# Altium PCB TinyShuffle v.0b.PcbDoc (part 1 of 2) (continued)
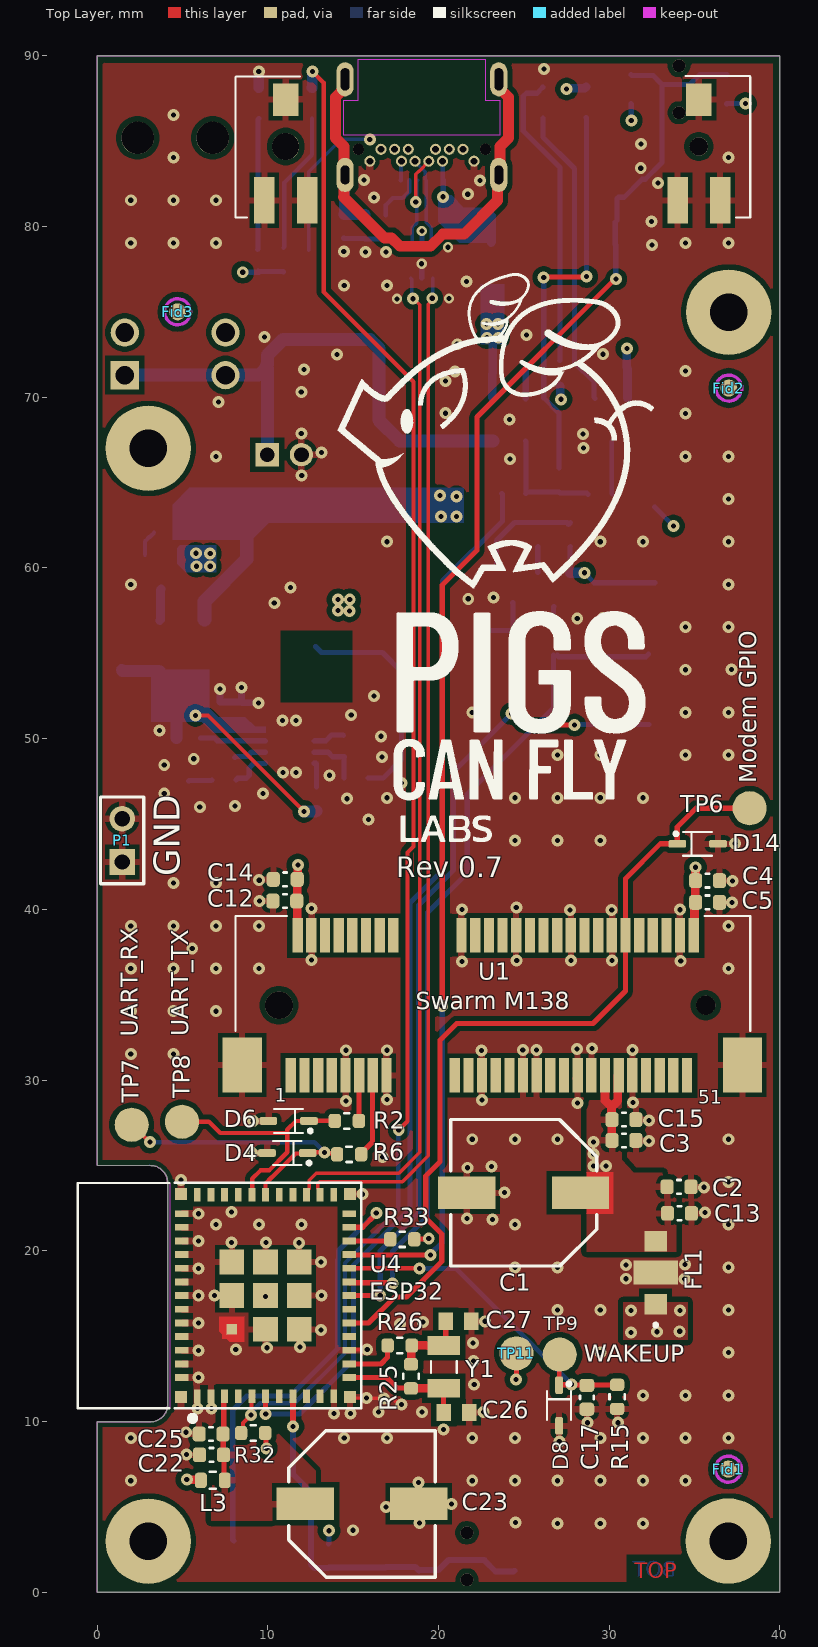
[diagram p0: Top Layer view]
## Footprints (in the part's own frame and the unit in brackets; to place one, negate y for a bottom-side part, rotate by r counter-clockwise, add the part's x,y. Pads: shape width x height; smd on the part's side, far side on the other; paste and mask are expansions set on the pad) (continued)
SOT323-6L [mm] "SOT23, 6-Leads, Body 2,00x2,10mm, Pitch 0,65mm, IPC High Density"
  rect 1.05x0.4 smd paste-0.03 mask+0.05: 1(-0.925,0.65) 2(-0.925,0) 3(-0.925,-0.65) 4(0.925,-0.65) 5(0.925,0) 6(0.925,0.65)
  silkscreen extent -1.12,1.31 -0.93,1.49, body extent -0.67,-1.1 0.67,1.1, height 1.1
ST_1610 [mm]
  rect 0.55x0.8 smd paste-0.05 mask+0.05: 1(-0.625,0) 2(0.625,0)
  silkscreen extent -1.23,-0.54 -1.23,0.53, body extent -0.85,-0.55 0.85,0.55, height 0.66
SW_PB400EEQX [mm]
  rect 1.65x1.65 hole 1.1: 1(0,0)
  round 1.65 hole 1.1: 2(0,-2.5) 3(5.9,0) 4(5.9,-2.5)
  round 1.9 hole 1.9 unplated: ""(0.75,-13.9) ""(5.15,-13.9)
  silkscreen extent -0.75,-17.69 6.65,1.6, body extent -0.76,-26.76 6.64,0.85, height 10.07
XCVR_ESP32-C3-MINI-1-N4 [mm]
  rect 0.8x0.4 smd: 1(-5.9,1.3) 2(-5.9,0.5) 3(-5.9,-0.3) 4(-5.9,-1.1) 5(-5.9,-1.9) 6(-5.9,-2.7) 7(-5.9,-3.5) 8(-5.9,-4.3) 9(-5.9,-5.1) 10(-5.9,-5.9) 11(-5.9,-6.7) 25(5.9,-6.7) 26(5.9,-5.9) 27(5.9,-5.1) 28(5.9,-4.3) 29(5.9,-3.5) 30(5.9,-2.7) 31(5.9,-1.9) 32(5.9,-1.1) 33(5.9,-0.3) 34(5.9,0.5) 35(5.9,1.3)
  rect 0.4x0.8 smd: 12(-4.8,-7.6) 13(-4,-7.6) 14(-3.2,-7.6) 15(-2.4,-7.6) 16(-1.6,-7.6) 17(-0.8,-7.6) 18(0,-7.6) 19(0.8,-7.6) 20(1.6,-7.6) 21(2.4,-7.6) 22(3.2,-7.6) 23(4,-7.6) 24(4.8,-7.6) 36(4.8,2.2) 37(4,2.2) 38(3.2,2.2) 39(2.4,2.2) 40(1.6,2.2) 41(0.8,2.2) 42(0,2.2) 43(-0.8,2.2) 44(-1.6,2.2) 45(-2.4,2.2) 46(-3.2,2.2) 47(-4,2.2) 48(-4.8,2.2)
  rect 0.6x0.6 smd paste-1 mask+0: 49_1(-1.975,-0.725)
  rect 1.45x1.45 smd: 49_2(0,-0.725) 49_3(1.975,-0.725) 49_4(1.975,-2.7) 49_5(1.975,-4.675) 49_6(0,-4.675) 49_7(-1.975,-4.675) 49_8(-1.975,-2.7) 49_9(0,-2.7)
  rect 0.7x0.7 smd: 50(5.95,2.25) 51(5.95,-7.65) 52(-5.95,-7.65) 53(-5.95,2.25)
  Top Layer region: -1.25,-1.45 -2.7,-1.45 -2.7,-0.6 -2.1,0 -1.25,0
  Keep-Out Layer region: 6.6,2.9 -6.6,2.9 -6.6,8.3 6.6,8.3
  Keep-Out Layer region: 6.6,2.9 -6.6,2.9 -6.6,8.3 6.6,8.3
  silkscreen extent -7.34,-8.3 6.6,8.3, body extent -6.6,-8.3 6.6,8.3, height 2.55
XCVR_M138_MODEM [mm]
  rect 0.6x2 smd: 1(0.7,-4.1) 2(1.1,4.1) 3(1.5,-4.1) 4(1.9,4.1) 5(2.3,-4.1) 6(2.7,4.1) 7(3.1,-4.1) 8(3.5,4.1) 9(3.9,-4.1) 10(4.3,4.1) 11(4.7,-4.1) 12(5.1,4.1) 13(5.5,-4.1) 14(5.9,4.1) 15(6.3,-4.1) 16(6.7,4.1) 17(10.3,-4.1) 18(10.7,4.1) 19(11.1,-4.1) 20(11.5,4.1) 21(11.9,-4.1) 22(12.3,4.1) 23(12.7,-4.1) 24(13.1,4.1) 25(13.5,-4.1) 26(13.9,4.1) 27(14.3,-4.1) 28(14.7,4.1) 29(15.1,-4.1) 30(15.5,4.1) 31(15.9,-4.1) 32(16.3,4.1) 33(16.7,-4.1) 34(17.1,4.1) 35(17.5,-4.1) 36(17.9,4.1) 37(18.3,-4.1) 38(18.7,4.1) 39(19.1,-4.1) 40(19.5,4.1) 41(19.9,-4.1) 42(20.3,4.1) 43(20.7,-4.1) 44(21.1,4.1) 45(21.5,-4.1) 46(21.9,4.1) 47(22.3,-4.1) 48(22.7,4.1) 49(23.1,-4.1) 50(23.5,4.1) 51(23.9,-4.1) 52(24.3,4.1)
  rect 2.3x3.2 smd: 53(-2.15,-3.5) 54(27.15,-3.5)
  rect 1.5x1.9 smd: S1_1(0.4,53.05) S2_1(24.6,53.05)
  rect 1.2x2.7 smd: S1_2(-0.85,47.15) S1_3(1.65,47.15) S2_2(23.35,47.15) S2_3(25.85,47.15)
  round 1.63 hole 1.63 unplated: ""(0,0)
  round 1.58 hole 1.58 unplated: ""(0.4,50.3)
  round 1.08 hole 1.08 unplated: ""(24.6,50.3)
  round 1.13 hole 1.13 unplated: ""(25,0)
  silkscreen extent -2.54,-1.5 27.61,54.42, body extent -2.4,-4.87 27.64,54.32, height 6.9
XTAL_ABS07-32.768KHZ-T [mm]
  rect 1.1x1.9 smd paste-0.03: 1(-1.25,0) 2(1.25,0)
  silkscreen extent -0.35,-0.75 0.35,0.75, body extent -1.6,-0.75 1.6,0.75, height 0.89

## Part data
C1 C23: "CAP ALUM POLY 220UF 20% 6.3V SMD", Capacitance=220uF, Manufacturer="Nippon Chemi-Con", ManufacturerPartNumber=APXA6R3ARA221MH70G, Tolerance=20%, Voltage Rating=6.3V
C2 C4 C9 C13 C14: library part CMP-00444-2, "CAP CER 10UF 25V X5R 0603", Capacitance=10µF, Dielectric=X5R, Manufacturer="Murata Electronics", Op Temp max=85°C, Op Temp min=-55°C, Package="0603 (1608 Metric)", Ratings=-, Tolerance=20%, Voltage Rating=25V, ComponentLink1Description=Datasheet, ComponentLink1URL=https://www.murata.com/en-global/products/productdetail?partno=GRM188R61E106MA73%23, ComponentLink2Description=Mouser, ComponentLink2URL=https://eu.mouser.com/ProductDetail/Murata-Electronics/GRM188R61E106MA73J?qs=hNud%2FORuBR2%252B%252BY67hhW1nA%3D%3D, ComponentLink3Description=Digikey, ComponentLink3URL=https://www.digikey.com/en/products/detail/murata-electronics/GRM188R61E106MA73J/4905347?s=N4IgTCBcDaIOICUCyBGAHGhA2FBRFADFkgIIDsAzAFIgC6AvkA, Height max=1mm, Lead Spacing=0mm, Mounting Type=SM, MPN=GRM188R61E106MA73J, Size="1.60mm x 0.80mm"
C3 C5 C12 C15 C17 C25 C28: library part CMP-00119-2, "CAP CER 0.1UF 50V X7R 0603", Capacitance=100nF, Dielectric=X7R, Manufacturer="Samsung Electro-Mechanics", Op Temp max=125°C, Op Temp min=-55°C, Package="0603 (1608 Metric)", Ratings=-, Tolerance=10%, Voltage Rating=50V, ComponentLink1Description=Datasheet, ComponentLink1URL=http://product.samsungsem.com/mlcc/CL10B104KB8NNW.do, ComponentLink2Description=Mouser, ComponentLink2URL=https://eu.mouser.com/ProductDetail/Samsung-Electro-Mechanics/CL10B104KB8NNWC?qs=%2Fha2pyFaduh3vwrZSGoh3Z6Gj3oVa1Y%2Fpd7iGPjF01jpt%2F6TY3kdMw%3D%3D, ComponentLink3Description=Digikey, ComponentLink3URL=https://www.digikey.com/en/products/detail/samsung-electro-mechanics/CL10B104KB8NNWC/3887593, Height max=900µm, Lead Spacing=0mm, Mounting Type=SM, MPN=CL10B104KB8NNWC, Size="1.60mm x 0.80mm"
C6: library part CMP-001-0280-2, "CAP CER 4.7UF 25V X5R 0603", Capacitance=4.7µF, Dielectric=X5R, Manufacturer="Murata Electronics", Op Temp max=85°C, Op Temp min=-55°C, Package="0603 (1608 Metric)", Ratings=-, Tolerance=10%, Voltage Rating=25V, ComponentLink1Description=Datasheet, ComponentLink1URL=https://www.murata.com/-/media/webrenewal/support/library/catalog/products/capacitor/ceramiccapacitor/c02e.ashx?la=en-us&cvid=20210120024548000000, ComponentLink2Description=Mouser, ComponentLink2URL=https://eu.mouser.com/ProductDetail/Murata-Electronics/GRM188R61E475KE11D?qs=eeBpzGFlv%252B9M0HqzMo%2FgYw%3D%3D, ComponentLink3Description=Digikey, ComponentLink3URL=https://www.digikey.com/en/products/detail/murata-electronics/GRM188R61E475KE11D/3900465, Height max=800µm, Lead Spacing=0mm, Mounting Type=SM, MPN=GRM188R61E475KE11D, Size="1.60mm x 0.80mm"
C7: "CAP CER 22UF 16V X5R 0805", Manufacturer="Samsung Electro-Mechanics", Operating Temperature="-55°C ~ 85°C", Package / Case="0805 (2012 Metric)", Temperature Coefficient=X5R, Tolerance=±20%, Voltage - Rated=16V, ComponentLink1Description=Datasheet, ComponentLink1URL=https://media.digikey.com/pdf/Data%20Sheets/Samsung%20PDFs/CL21A226MOQNNNE_Spec.pdf, ComponentLink2Description=Digikey, ComponentLink2URL=https://www.digikey.com/en/products/detail/samsung-electro-mechanics/CL21A226MOQNNNE/3888567, MPN=CL21A226MOQNNNE
C8 C20 C21 C22 C24: library part CMP-001-0243-7, "CAP CER 1UF 25V X5R 0603", Capacitance=1µF, Dielectric=X5R, Manufacturer="Samsung Electro-Mechanics", Op Temp max=125°C, Op Temp min=-55°C, Package="0603 (1608 Metric)", Ratings=-, Tolerance=10%, Voltage Rating=25V, ComponentLink1Description=Datasheet, ComponentLink1URL=https://media.digikey.com/pdf/Data%20Sheets/Samsung%20PDFs/CL10A105KA8NNNC_Spec.pdf, ComponentLink2Description=Mouser, ComponentLink2URL=https://eu.mouser.com/ProductDetail/Samsung-Electro-Mechanics/CL10A105KA8NNNC?qs=hqM3L16%252BxldY%252BnK4KzDJVg%3D%3D, ComponentLink3Description=Digikey, ComponentLink3URL=https://www.digikey.com/en/products/detail/samsung-electro-mechanics/CL10A105KA8NNNC/3886760, Height max=900µm, Lead Spacing=0mm, Mounting Type=SM, MPN=CL10A105KA8NNNC, Size="1.60mm x 0.80mm"
C10: library part CMP-00119-2, "CAP CER 10000PF 50V X7R 0603", Capacitance=10nF, Dielectric=X7R, Manufacturer="Samsung Electro-Mechanics", Op Temp max=125°C, Op Temp min=-55°C, Package="0603 (1608 Metric)", Ratings=-, Tolerance=10%, Voltage Rating=50V, ComponentLink1Description=Datasheet, ComponentLink1URL=https://media.digikey.com/pdf/Data%20Sheets/Samsung%20PDFs/CL10B103KB8NNNC_Spec.pdf, ComponentLink2Description=Mouser, ComponentLink2URL=https://www.mouser.com/ProductDetail/Samsung-Electro-Mechanics/CL10B103KB8NNNC?qs=349EhDEZ59pAsZxZjVI0UQ%3D%3D, ComponentLink3Description=Digikey, ComponentLink3URL=https://www.digikey.com/en/products/detail/samsung-electro-mechanics/CL10B103KB8NNNC/3886667, Height max=900µm, Lead Spacing=0mm, Mounting Type=SM, MPN=CL10B103KB8NNNC, Size="1.60mm x 0.80mm"
C11: library part CMP-00119-2, "CAP CER 560PF 50V C0G/NP0 0603", Capacitance=560pF, Dielectric="C0G, NP0", Manufacturer="Samsung Electro-Mechanics", Op Temp max=125°C, Op Temp min=-55°C, Package="0603 (1608 Metric)", Ratings=-, Tolerance=10%, Voltage Rating=50V, ComponentLink1Description=Datasheet, ComponentLink1URL=https://www.samsungsem.com/kr/support/product-search/mlcc/CL10C561JB8NFNC.jsp, ComponentLink2Description=Mouser, ComponentLink2URL=https://www.mouser.com/ProductDetail/Samsung-Electro-Mechanics/CL10C561JB8NFNC?qs=h6Piwd%2Fnvzm6ky5tL0eH4g%3D%3D, ComponentLink3Description=Digikey, ComponentLink3URL=https://www.digikey.com/en/products/detail/samsung-electro-mechanics/CL10C561JB8NFNC/3887973, Height max=900µm, Lead Spacing=0mm, Mounting Type=SM, MPN=CL10C561JB8NFNC, Size="1.60mm x 0.80mm"
C16: library part CMP-00119-3, "CAP CER 0.1UF 50V X7R 0603", Capacitance=100nF, Dielectric=X7R, Manufacturer="Samsung Electro-Mechanics", Op Temp max=125°C, Op Temp min=-55°C, Package="0603 (1608 Metric)", Ratings=-, Tolerance=10%, Voltage Rating=50V, ComponentLink1Description=Datasheet, ComponentLink1URL=http://product.samsungsem.com/mlcc/CL10B104KB8NNW.do, ComponentLink2Description=Mouser, ComponentLink2URL=https://eu.mouser.com/ProductDetail/Samsung-Electro-Mechanics/CL10B104KB8NNWC?qs=%2Fha2pyFaduh3vwrZSGoh3Z6Gj3oVa1Y%2Fpd7iGPjF01jpt%2F6TY3kdMw%3D%3D, ComponentLink3Description=Digikey, ComponentLink3URL=https://www.digikey.com/en/products/detail/samsung-electro-mechanics/CL10B104KB8NNWC/3887593, Height max=900µm, Lead Spacing=0mm, Mounting Type=SM, MPN=CL10B104KB8NNWC, Size="1.60mm x 0.80mm"
C18: library part CMP-001-0433-1, "CAP CER 10000PF 50V NP0 0603", Capacitance=10nF, Dielectric="NP0 (C0G)", Manufacturer="Murata Electronics", Op Temp max=125°C, Op Temp min=-55°C, Package="0603 (1608 Metric)", Ratings=AEC-Q200, Tolerance=5%, Voltage Rating=50V, ComponentLink1Description=Datasheet, ComponentLink1URL=https://www.murata.com/en-global/products/productdetail?partno=GCM1885C1H103JA16%23, ComponentLink2Description=Mouser, ComponentLink2URL=https://eu.mouser.com/ProductDetail/Murata-Electronics/GCM1885C1H103JA16D?qs=d0WKAl%252BL4KaCN8KV5xEifw%3D%3D, ComponentLink3Description=Digikey, ComponentLink3URL=https://www.digikey.com/en/products/detail/murata-electronics/GCM1885C1H103JA16D/13401923, Height max=900µm, Lead Spacing=0mm, Mounting Type=SM, MPN=GCM1885C1H103JA16D, Size="1.60mm x 0.80mm"
C19: library part 0603-X7R-100V-0.1uF, "CAP CER 0.1UF 100V X7R 0603", Manufacturer=Samsung, MPN=CL10B104KC8NNNC, Package/Case="0603 (1608 Metric)", Supplier 1 Part Number=1276-6807-2-ND, Group="Ceramic capacitor, SMD", Price=0.01625, Supplier 1=DigiKey, Supplier 1 Link=https://www.digikey.com/product-detail/en/samsung-electro-mechanics/CL10B104KC8NNNC/1276-6807-2-ND/5961291
C26 C27: library part CAPC1608N-0.1UF, "CAP CER 12PF NP0 0603", Manufacturer="Murata Electronics", MPN=GRM1885C1H120JA01J
D1 D2: library part MBR0520, "DIODE SCHOTTKY 20V 1A SOD123FL", LCSC Part Number=C81143, Manufacturer=ON, Generic Part=no, MPN=MBR120ESFT3G
D3 D11: library part 598_SERIES_LED, "Green 566nm LED Indication - Discrete 2V 0805 (2012 Metric)", Manufacturer=Dialight, Package="0805 Dialight", Availability=Unavailable, MPN=598-8170-107F, Price=None, SnapEDA_Link=https://www.snapeda.com/parts/598-8110-107F/Dialight/view-part/275124/?ref=snap
D4 D5 D6 D8 D10 D14: "TVS DIODE 3.3VWM 10.9VC SOD323", Capacitance @ Frequency="200pF @ 1MHz", Current - Peak Pulse (10/1000µs)="43A (8/20µs)", Manufacturer="Bourns Inc.", Voltage - Breakdown (Min)=4V, Voltage - Clamping (Max) @ Ipp="10.9V (Typ)", Voltage - Reverse Standoff (Typ)=3.3V, ComponentLink1Description=Datasheet, ComponentLink1URL=https://www.mccsemi.com/pdf/Products/ESDLC3V3D3~ESDLC12VD3(SOD-323).pdf, ComponentLink2Description=Digikey, ComponentLink2URL=https://www.digikey.com/en/products/detail/micro-commercial-co/ESDLC3V3D3-TP/2512797, ComponentLink3Description=Mouser, ComponentLink3URL=https://eu.mouser.com/ProductDetail/Micro-Commercial-Components-MCC/ESDLC3V3D3-TP?qs=tWhVDKcjDQFO%252BZgFf6OwKw%3D%3D, MPN=CDSOD323-T03SC
D7: library part 598_SERIES_LED, "Orange 605nm LED Indication - Discrete 2V 0805 (2012 Metric)", Manufacturer=Dialight, Package="0805 Dialight", Availability=Unavailable, MPN=598-8130-107F
D9: library part 598_SERIES_LED, "Red 635nm LED Indication - Discrete 2.2V 0805 _2012 Metric_", Manufacturer=Dialight, Package="0805 Dialight", Availability=Unavailable, MPN=598-8110-107F, Price=None, SnapEDA_Link=https://www.snapeda.com/parts/598-8110-107F/Dialight/view-part/275124/?ref=snap
D12: library part NUF2221W1T2G, "FILTER RC(PI) 22 OHM/47PF SMD", Manufacturer=STMicroelectronics, Package/Case=SOT363, Supplier 1 Part Number=497-3743-2-ND, Group=Diode, MPN=USBUF02W6, Price=0.8, Supplier 1=Digi-Key, Supplier 1 Link=https://www.digikey.com/en/products/detail/stmicroelectronics/USBUF02W6/686422
D13 D15: "TVS DIODE 5V 11.6V 1610", Manufacturer=STMicroelectronics, Package/Case=1610, Supplier 1 Part Number=497-16253-2-ND, Group=Diode, MPN=ESDA7P60-1U1M, Price=0.07875, Supplier 1=Digi-Key, Supplier 1 Link=https://www.digikey.com/en/products/detail/stmicroelectronics/ESDA7P60-1U1M/5768408?s=N4IgTCBcDaIKIGUAiBBA7ABQGwAYC0AjAKoECyIAugL5A
FL1: "1ÂµF Feed Through Capacitor 100V 6A 5mOhm 1206 (3216 Metric), 4 PC Pad", Manufacturer=TDK, Package="0402 TDK", Check_prices=https://www.snapeda.com/parts/YFF31HC2A105M/TDK/view-part/566442/?ref=eda, Digi-Key_Part_Number=445-16151-1-ND, MPN=YFF31HC2A105M, Purchase-URL=https://pricing.snapeda.com/search/part/YFF31HC2A105M/?ref=eda, SnapEDA_Link=https://www.snapeda.com/parts/YFF31HC2A105M/TDK/view-part/566442/?ref=snap
J1: "Type C, USB 3.1 Gen 2, 5 A, Right Angle, Surface Mount _SMT_, USB Receptacle", Manufacturer="CUI Devices", MPN=UJ31-CH-G2-SMT-TR
J2: library part "Battery Connector", "Connector Header, PH Series, 2 Position, 2.00mm, Through Hole, Press-Fit, Solder, Natural", Manufacturer="Sullins Connector Solutions", MPN=SWR201-NRTN-S02-SA-WH
L1: library part ILHB0805ER601V, "FERRITE BEAD 600 OHM 0805 2A", Manufacturer="Vishay Dale", Package/Case="0805 (2012 Metric)", Supplier 1 Part Number=541-2302-2-ND, Group=Inductors, MPN=ILHB0805ER601V, Price=0.03040, Supplier 1=DigiKey, Supplier 1 Link=https://www.digikey.com/en/products/detail/vishay-dale/ILHB0805ER601V/2575021
L2: "2 µH Shielded Drum Core, Wirewound Inductor 8.2 A 23.3mOhm Max Nonstandard -", Current - Saturation (Isat)=4А, Current Rating (Amps)="8.2 A", DC Resistance (DCR), Max=23.3mOhm, Frequency - Self Resonant=40MHz, Manufacturer="Bourns Inc.", Operating Temperature="-55°C ~ 155°C", Package="Nonstandard Bourns Inc.", Q @ Freq="15 @ 100kHz", Tolerance=20%, MPN=SRP4020FA-2R0M
L3: library part "ferrite bead", "FERRITE BEAD 120 OHM 0603 1LN", Manufacturer="Murata Electronics North America", Package=0603, Supplier 1 Part Number=490-7815-1-ND, Supplier 2 Part Number=81-BLM18PG121SH1D, MPN=BLM18PG121SH1D, Supplier 1 Link=https://www.digikey.com/product-detail/en/murata-electronics-north-america/BLM18PG121SH1D/490-7815-1-ND/4380154, Supplier 2 Link=https://eu.mouser.com/ProductDetail/Murata-Electronics/BLM18PG121SH1D?qs=%2fha2pyFaduiel0%2fVgJ%252brELM19JMXTESGH14ASLXzLyb4MmtpyhCVjQ%3d%3d
P1: library part "Header 2", "Header, 2-Pin", LatestRevisionDate=17-Jul-2002, LatestRevisionNote="Re-released for DXP Platform.", Publisher="Altium Limited"
Q1: library part CMP-001-0218-5, "MOSFET P-CH 20V 3.8A SOT23", Current - Continuous Drain (Id) @ 25°C="3.8A (Ta)", Drain to Source Voltage (Vdss)="20 V", Input Capacitance (Ciss) (Max) @ Vds="487pF @20V", Manufacturer="Diodes Incorporated", Op Temp max=150°C, Op Temp min=-55°C, Package=SOT-23-3, ComponentLink1Description=Datasheet, ComponentLink1URL=https://www.vishay.com/docs/73238/73238.pdf, ComponentLink2Description=Mouser, ComponentLink2URL=https://eu.mouser.com/ProductDetail/Vishay-Semiconductors/SI2325DS-T1-E3?qs=jcx%252B0HVgj2ZrYzLJS1OITQ%3D%3D, ComponentLink3Description=Digikey, ComponentLink3URL=https://www.digikey.com/en/products/detail/diodes-incorporated/DMP2120U-7/8275357, FET Type=P-Channel, Height max=1.12mm, Mounting Type=SM, MPN=DMP2120U-7, Pmax="800mW (Ta)", Rds @ Id, Vgs="62mOhm @ 4.2A, 4.5V", Size=2.9x2.3, Technology=MOSFET, Vgs="2V @ 250µA", Vgs (MAX)=±8V
Q2: library part CMP-001-0218-5, "MOSFET P-CH 20V 600MA SOT23-3", Current - Continuous Drain (Id) @ 25°C=600mA, Drain to Source Voltage (Vdss)="20 V", Input Capacitance (Ciss) (Max) @ Vds="175 pF @ 16 V", Manufacturer="Diodes Incorporated", Op Temp max=150°C, Op Temp min=-55°C, Package=SOT-23-3, ComponentLink1Description=Datasheet, ComponentLink1URL=https://www.diodes.com/assets/Datasheets/ds30933.pdf, ComponentLink2Description=Mouser, ComponentLink2URL=https://www.mouser.com/ProductDetail/Diodes-Incorporated/DMP2004K-7?qs=R%252By5Lqt1H6xpbz%252B9t5zMtA%3D%3D, ComponentLink3Description=Digikey, ComponentLink3URL=https://www.digikey.com/en/products/detail/diodes-incorporated/DMP2004K-7/1774201, FET Type=P-Channel, Height max=1.12mm, Mounting Type=SM, MPN=DMP2004K-7, Pmax=225mW, Rds @ Id, Vgs="900mOhm @ 430mA, 4.5V", Size=2.9x2.3, Technology=MOSFET, Vgs="1V @ 250µA", Vgs (MAX)=±8V
Q3: library part CMP-001-0268-1, "Power MOSFET, N Channel, 60 V, 300 mA, 2.8 ohm, SOT-23, Surface Mount", Current - Continuous Drain (Id) @ 25°C=360mA, Drain to Source Voltage (Vdss)=60V, Input Capacitance (Ciss) (Max) @ Vds="50 pF @ 10 V", Manufacturer="Nexperia USA Inc.", Op Temp max=150°C, Op Temp min=-55°C, Package=SOT-23-3, ComponentLink1Description=Datasheet, ComponentLink1URL=https://assets.nexperia.com/documents/data-sheet/2N7002P.pdf, ComponentLink2Description=Mouser, ComponentLink2URL=https://eu.mouser.com/ProductDetail/Nexperia/2N7002P235?qs=A1cBxND5mHJjAcok1kSTYw%3D%3D, ComponentLink3Description=Digikey, ComponentLink3URL=https://www.digikey.com/en/products/detail/nexperia-usa-inc/2N7002-215/762973, FET Type=N-Channel, Height max=1.1mm, Mounting Type=SM, MPN=2N7002,215, Pmax=350mW, Rds @ Id, Vgs="1.6Ohm @ 500mA, 10V", Size=2.9x2.3, Technology=MOSFET, Vgs=2.4V, Vgs (MAX)=20
R1 R11: library part CMP-001-0437-1, "RES 10 OHM 1% 1/10W 0603", Manufacturer=YAGEO, Op Temp max=155°C, Op Temp min=-55°C, Package="0603 (1608 Metric)", Power=100mW, Ratings=-, Resistance=10, Temperature Coefficient=±200ppm/°C, Tolerance=1%, ComponentLink1Description=Datasheet, ComponentLink1URL=https://www.yageo.com/upload/media/product/productsearch/datasheet/rchip/PYu-RC_Group_51_RoHS_L_11.pdf, ComponentLink2Description=Mouser, ComponentLink2URL=https://eu.mouser.com/ProductDetail/YAGEO/RC0603FR-0710RL?qs=womCuNp6NjhtCUybQ%252B6d6w%3D%3D, ComponentLink3Description=Digikey, ComponentLink3URL=https://www.digikey.com/en/products/detail/yageo/RC0603FR-0710RL/726879, Composition="Thick Film", Height max=550µm, Mounting Type=SM, MPN=RC0603FR-0710RL, Size="1.60mm x 0.80mm"
R2 R6: library part CMP-001-0437-1, "RES 22 OHM 1% 1/10W 0603", Manufacturer=YAGEO, Op Temp max=155°C, Op Temp min=-55°C, Package="0603 (1608 Metric)", Power=100mW, Ratings=-, Resistance=22, Temperature Coefficient=±150ppm, Tolerance=1%, ComponentLink1Description=Datasheet, ComponentLink1URL=https://www.yageo.com/upload/media/product/productsearch/datasheet/rchip/PYu-RC_Group_51_RoHS_L_11.pdf, ComponentLink2Description=Mouser, ComponentLink2URL=https://eu.mouser.com/ProductDetail/YAGEO/RC0603FR-0722RL?qs=diQw95jMAeMOsxb8bne7fg%3D%3D, ComponentLink3Description=Digikey, ComponentLink3URL=https://www.digikey.com/en/products/detail/yageo/RC0603FR-0722RL/727055, Composition="Thick Film", Height max=550µm, Mounting Type=SM, MPN=RC0603FR-0722RL, Size="1.60mm x 0.80mm"
R3 R14 R15 R23 R27 R32 R33: library part CMP-00465-3, "RES SMD 10K OHM 0.5% 1/10W 0603", Manufacturer=YAGEO, Op Temp max=155°C, Op Temp min=-55°C, Package="0603 (1608 Metric)", Power=100mW, Ratings=-, Resistance=10k, Temperature Coefficient=±25ppm, Tolerance=0.5%, ComponentLink1Description=Datasheet, ComponentLink1URL=https://www.yageo.com/upload/media/product/productsearch/datasheet/rchip/PYu-RT_1-to-0.01_RoHS_L_12.pdf, ComponentLink2Description=Mouser, ComponentLink2URL=https://www.mouser.com/ProductDetail/YAGEO/RT0603DRD0710KL?qs=3wNGTxYkyxGtjvdxMGLloQ%3D%3D, ComponentLink3Description=Digikey, ComponentLink3URL=https://www.digikey.com/en/products/detail/yageo/RT0603DRD0710KL/1035416, Composition="Thin Film", Height max=550µm, Mounting Type=SM, MPN=RT0603DRD0710KL, Size="1.60mm x 0.8mm"
R4: library part CMP-001-0437-1, "RES 75K OHM 1% 1/10W 0603", Manufacturer=YAGEO, Op Temp max=155°C, Op Temp min=-55°C, Package="0603 (1608 Metric)", Power=100mW, Ratings=-, Resistance=75K, Temperature Coefficient=±150ppm, Tolerance=1%, ComponentLink1Description=Datasheet, ComponentLink1URL=https://www.yageo.com/upload/media/product/productsearch/datasheet/rchip/PYu-RC_Group_51_RoHS_L_11.pdf, ComponentLink2Description=Mouser, ComponentLink2URL=https://eu.mouser.com/ProductDetail/YAGEO/RC0603FR-0775KL?qs=2cAdsCoAWRFA%2FpEX9%2F7xpw%3D%3D, ComponentLink3Description=Digikey, ComponentLink3URL=https://www.digikey.com/en/products/detail/yageo/RC0603FR-0775KL/727378, Composition="Thick Film", Height max=550µm, Mounting Type=SM, MPN=RC0603FR-0775KL, Size="1.60mm x 0.80mm"
R5 R10 R17 R29: library part CMP-001-0437-1, "RES 100K OHM 1% 1/10W 0603", Manufacturer=YAGEO, Op Temp max=155°C, Op Temp min=-55°C, Package="0603 (1608 Metric)", Power=100mW, Ratings=-, Resistance=100k, Temperature Coefficient=±150ppm, Tolerance=1%, ComponentLink1Description=Datasheet, ComponentLink1URL=https://www.yageo.com/upload/media/product/productsearch/datasheet/rchip/PYu-RC_Group_51_RoHS_L_11.pdf, ComponentLink2Description=Mouser, ComponentLink2URL=https://eu.mouser.com/ProductDetail/YAGEO/RC0603FR-07100KL?qs=e1ok2LiJcmaihem8Va5%2Fsw%3D%3D, ComponentLink3Description=Digikey, ComponentLink3URL=https://www.digikey.com/en/products/detail/yageo/RC0603FR-07100KL/726889, Composition="Thick Film", Height max=550µm, Mounting Type=SM, MPN=RC0603FR-07100KL, Size="1.60mm x 0.80mm"
R7: library part CMP-001-0437-1, "RES 24K OHM 1% 1/10W 0603", Manufacturer=YAGEO, Op Temp max=155°C, Op Temp min=-55°C, Package="0603 (1608 Metric)", Power=100mW, Ratings=-, Resistance=24K, Temperature Coefficient=±150ppm, Tolerance=1%, ComponentLink1Description=Datasheet, ComponentLink1URL=https://www.yageo.com/upload/media/product/productsearch/datasheet/rchip/PYu-RC_Group_51_RoHS_L_11.pdf, ComponentLink2Description=Mouser, ComponentLink2URL=https://eu.mouser.com/ProductDetail/YAGEO/RC0603FR-0724KL?qs=NUn4zLqw%2FjL4A5exBX9GHg%3D%3D, ComponentLink3Description=Digikey, ComponentLink3URL=https://www.digikey.com/en/products/detail/yageo/RC0603FR-0724KL/727076, Composition="Thick Film", Height max=550µm, Mounting Type=SM, MPN=RC0603FR-0724KL, Size="1.60mm x 0.80mm"
R8: library part CMP-001-0437-1, "RES 33K OHM 1% 1/10W 0603", Manufacturer=YAGEO, Op Temp max=155°C, Op Temp min=-55°C, Package="0603 (1608 Metric)", Power=100mW, Ratings=-, Resistance=33K, Temperature Coefficient=±150ppm, Tolerance=1%, ComponentLink1Description=Datasheet, ComponentLink1URL=https://www.yageo.com/upload/media/product/productsearch/datasheet/rchip/PYu-RC_Group_51_RoHS_L_11.pdf, ComponentLink2Description=Mouser, ComponentLink2URL=https://eu.mouser.com/ProductDetail/YAGEO/RC0603FR-0733KL?qs=diQw95jMAeNLVoelhsKx3w%3D%3D, ComponentLink3Description=Digikey, ComponentLink3URL=https://www.digikey.com/en/products/detail/yageo/RC0603FR-0733KL/727159, Composition="Thick Film", Height max=550µm, Mounting Type=SM, MPN=RC0603FR-0733KL, Size="1.60mm x 0.80mm"
R9: library part CMP-001-0437-1, "RES 300K OHM 1% 1/10W 0603", Manufacturer=YAGEO, Op Temp max=155°C, Op Temp min=-55°C, Package="0603 (1608 Metric)", Power=100mW, Ratings=-, Resistance=300k, Temperature Coefficient=±150ppm, Tolerance=1%, ComponentLink1Description=Datasheet, ComponentLink1URL=https://www.yageo.com/upload/media/product/productsearch/datasheet/rchip/PYu-RC_Group_51_RoHS_L_11.pdf, ComponentLink2Description=Mouser, ComponentLink2URL=https://eu.mouser.com/ProductDetail/YAGEO/RC0603FR-07300KL?qs=diQw95jMAeNfdIj8TA3yIQ%3D%3D, ComponentLink3Description=Digikey, ComponentLink3URL=https://www.digikey.com/en/products/detail/yageo/RC0603FR-07300KL/727145, Composition="Thick Film", Height max=550µm, Mounting Type=SM, MPN=RC0603FR-07300KL, Size="1.60mm x 0.80mm"
R12: library part CMP-001-0437-1, "RES 15K OHM 1% 1/10W 0603", Manufacturer=YAGEO, Op Temp max=155°C, Op Temp min=-55°C, Package="0603 (1608 Metric)", Power=100mW, Ratings=-, Resistance=15K, Temperature Coefficient=±150ppm, Tolerance=1%, ComponentLink1Description=Datasheet, ComponentLink1URL=https://www.yageo.com/upload/media/product/productsearch/datasheet/rchip/PYu-RC_Group_51_RoHS_L_11.pdf, ComponentLink2Description=Mouser, ComponentLink2URL=https://eu.mouser.com/ProductDetail/YAGEO/RC0603FR-0715KL?qs=VU8sRB4EgwBhsSCK0A%252BW%252Bw%3D%3D, ComponentLink3Description=Digikey, ComponentLink3URL=https://www.digikey.com/en/products/detail/yageo/RC0603FR-0715KL/726953, Composition="Thick Film", Height max=550µm, Mounting Type=SM, MPN=RC0603FR-0715KL, Size="1.60mm x 0.80mm"
R13: library part CMP-001-0440-1, "RES SMD 4.7K OHM 1% 1/10W 0603", Manufacturer=YAGEO, Op Temp max=155°C, Op Temp min=-55°C, Package="0603 (1608 Metric)", Power=100mW, Ratings=-, Resistance=4.7k, Temperature Coefficient=±150ppm, Tolerance=1%, ComponentLink1Description=Datasheet, ComponentLink1URL=https://www.yageo.com/upload/media/product/productsearch/datasheet/rchip/PYu-RC_51_RoHS_P_2.pdf, ComponentLink2Description=Mouser, ComponentLink2URL=https://eu.mouser.com/ProductDetail/YAGEO/RC0603FR-074K7P?qs=oypCK0zG327zAS2t0a3YLw%3D%3D, ComponentLink3Description=Digikey, ComponentLink3URL=https://www.digikey.com/en/products/detail/yageo/RC0603FR-074K7P/4935319, Composition="Thick Film", Height max=550µm, Mounting Type=SM, MPN=RC0603FR-074K7P, Size="1.60mm x 0.80mm"
R16: library part CMP-001-0437-1, "RES 47K OHM 1% 1/10W 0603", Manufacturer=YAGEO, Op Temp max=155°C, Op Temp min=-55°C, Package="0603 (1608 Metric)", Power=100mW, Ratings=-, Resistance=47K, Temperature Coefficient=±150ppm, Tolerance=1%, ComponentLink1Description=Datasheet, ComponentLink1URL=https://www.yageo.com/upload/media/product/productsearch/datasheet/rchip/PYu-RC_Group_51_RoHS_L_11.pdf, ComponentLink2Description=Mouser, ComponentLink2URL=https://eu.mouser.com/ProductDetail/YAGEO/RC0603FR-0747KL?qs=gt6vzsuosg3jXzmCiDCCdg%3D%3D, ComponentLink3Description=Digikey, ComponentLink3URL=https://www.digikey.com/en/products/detail/yageo/RC0603FR-0747KL/727253, Composition="Thick Film", Height max=550µm, Mounting Type=SM, MPN=RC0603FR-0747KL, Size="1.60mm x 0.80mm"
R18 R30: library part CMP-001-0440-1, "RES 5.1K OHM 1% 1/10W 0603", Manufacturer=YAGEO, Op Temp max=155°C, Op Temp min=-55°C, Package="0603 (1608 Metric)", Power=100mW, Ratings=-, Resistance=5.1k, Temperature Coefficient=±100ppm, Tolerance=1%, ComponentLink1Description=Datasheet, ComponentLink1URL=https://www.yageo.com/upload/media/product/productsearch/datasheet/rchip/PYu-RC_Group_51_RoHS_L_11.pdf, ComponentLink2Description=Mouser, ComponentLink2URL=https://eu.mouser.com/ProductDetail/YAGEO/RC0603FR-075K1L?qs=gt6vzsuosg2jUUwxnI2PJQ%3D%3D, ComponentLink3Description=Digikey, ComponentLink3URL=https://www.digikey.com/en/products/detail/yageo/RC0603FR-075K1L/727268, Composition="Thick Film", Height max=550µm, Mounting Type=SM, MPN=RC0603FR-075K1L, Size="1.60mm x 0.80mm"
R19 R20 R22 R24 R28: library part CMP-001-0437-1, "RES SMD 1K OHM 1% 1/10W 0603", Manufacturer=YAGEO, Op Temp max=155°C, Op Temp min=-55°C, Package="0603 (1608 Metric)", Power=100mW, Ratings=-, Resistance=1k, Temperature Coefficient=±150ppm, Tolerance=1%, ComponentLink1Description=Datasheet, ComponentLink1URL=https://www.yageo.com/upload/media/product/productsearch/datasheet/rchip/PYu-RC_51_RoHS_P_2.pdf, ComponentLink2Description=Mouser, ComponentLink2URL=https://eu.mouser.com/ProductDetail/YAGEO/RC0603FR-071KP?qs=oypCK0zG325Qk9R53mztcw%3D%3D, ComponentLink3Description=Digikey, ComponentLink3URL=https://www.digikey.com/en/products/detail/yageo/RC0603FR-071KP/4935309, Composition="Thick Film", Height max=550µm, Mounting Type=SM, MPN=RC0603FR-071KP, Size="1.60mm x 0.80mm"
R21: library part CMP-001-0437-1, "RES 2.4K OHM 1% 1/10W 0603", Manufacturer=YAGEO, Op Temp max=155°C, Op Temp min=-55°C, Package="0603 (1608 Metric)", Power=100mW, Ratings=-, Resistance=2.4K, Temperature Coefficient=±150ppm, Tolerance=1%, ComponentLink1Description=Datasheet, ComponentLink1URL=https://www.yageo.com/upload/media/product/productsearch/datasheet/rchip/PYu-RC_Group_51_RoHS_L_11.pdf, ComponentLink2Description=Mouser, ComponentLink2URL=https://eu.mouser.com/ProductDetail/YAGEO/RC0603FR-072K4L?qs=0yPvnVz5%2FmrC6p3yyBfpHw%3D%3D, ComponentLink3Description=Digikey, ComponentLink3URL=https://www.digikey.com/en/products/detail/yageo/RC0603FR-072K4L/727023, Composition="Thick Film", Height max=550µm, Mounting Type=SM, MPN=RC0603FR-072K4L, Size="1.60mm x 0.80mm"
R25: library part CMP-001-0215-7, "RES SMD 1M OHM 1% 1/10W 0603", Manufacturer=YAGEO, Op Temp max=155°C, Op Temp min=-55°C, Package="0603 (1608 Metric)", Power=100mW, Ratings=AEC-Q200, Resistance=1M, Temperature Coefficient=±100ppm, Tolerance=1%, ComponentLink1Description=Datasheet, ComponentLink1URL=https://www.yageo.com/upload/media/product/productsearch/datasheet/rchip/PYu-AC_51_RoHS_L_7.pdf, ComponentLink2Description=Mouser, ComponentLink2URL=https://eu.mouser.com/ProductDetail/YAGEO/AC0603FR-071ML?qs=%2Fha2pyFadujj9sgtHXfPQkikAa9GKG5jA2OI%2FEJb2fnr%2FnJ%2FqTHQyA%3D%3D, ComponentLink3Description=Digikey, ComponentLink3URL=https://www.digikey.com/en/products/detail/yageo/AC0603FR-071ML/2827820?s=N4IgTCBcDaIIIGEAMA2JBmAYgJQLRIHYBGAWQBkQBdAXyA, Composition="Thick Film", Height max=550µm, Mounting Type=SM, MPN=AC0603FR-071ML, Size="1.60mm x 0.80mm"
R26: library part CMP-001-0222-5, "RES SMD 0 OHM JUMPER 1/10W 0603", Manufacturer="Vishay Dale", Op Temp max=155°C, Op Temp min=-55°C, Package="0603 (1608 Metric)", Power=100mW, Ratings=AEC-Q200, Resistance=0, Temperature Coefficient=-, Tolerance=0%, ComponentLink1Description=Datasheet, ComponentLink1URL=https://www.vishay.com/docs/20035/dcrcwe3.pdf, ComponentLink2Description=Mouser, ComponentLink2URL=https://eu.mouser.com/ProductDetail/Vishay-Dale/CRCW06030000Z0EA?qs=uFJqmf%2F3rbbVtxvMdbYUaQ%3D%3D, ComponentLink3Description=Digikey, ComponentLink3URL=https://www.digikey.com/en/products/detail/vishay-dale/CRCW06030000Z0EA/1174156, Composition="Thick Film", Height max=500µm, Mounting Type=SM, MPN=CRCW06030000Z0EA, Size="1.60mm x 0.85mm"
R31: library part CMP-001-0440-1, "RES 330 OHM 1% 1/10W 0603", Manufacturer=YAGEO, Op Temp max=155°C, Op Temp min=-55°C, Package="0603 (1608 Metric)", Power=100mW, Ratings=-, Resistance=330, Temperature Coefficient=±100ppm, Tolerance=1%, ComponentLink1Description=Datasheet, ComponentLink1URL=https://www.yageo.com/upload/media/product/productsearch/datasheet/rchip/PYu-RC_Group_51_RoHS_L_11.pdf, ComponentLink2Description=Mouser, ComponentLink2URL=https://eu.mouser.com/ProductDetail/YAGEO/RC0603FR-07330RL?qs=diQw95jMAeN1335dAOzMfg%3D%3D, ComponentLink3Description=Digikey, ComponentLink3URL=https://www.digikey.com/en/products/detail/yageo/RC0603FR-07330RL/727162?s=N4IgTCBcDaIEoGEAMA2JBmAYnAtEg7OuknADIgC6AvkA, Composition="Thick Film", Height max=550µm, Mounting Type=SM, MPN=RC0603FR-07330RL, Size="1.60mm x 0.80mm"
S1: "Pushbutton Switch DPST Standard Through Hole, Right Angle", Manufacturer=E-Switch, MPN=PB400EEQX
S2 S3: "Tactile Switch SPST-NO Side Actuated Surface Mount, Right Angle", Manufacturer="Wurth Elektronik", MPN=436351045816
TP1 TP2 TP3 TP4 TP5 TP6 TP7 TP8 TP9 TP10 TP11 TP12: "Test Pad, SMD", Group="Test point"
U1: "'SWARM M138 MODEM mPCIe 2.005\" (50.925mm) x 1.18\" (30mm)  Two part connector", Manufacturer=Swarm, MPN="A: MM60-52B1-B1-R850 B: MM60-EZH039-B5-R850"
U2: "IC REG BUCK ADJUSTABLE 4A 8WDFN", Current - Output=4A, Frequency - Switching="200kHz ~ 2MHz", Manufacturer="Richtek USA Inc.", Package / Case="8-WDFN Exposed Pad", Voltage - Input (Max)=5.5V, Voltage - Input (Min)=2.7V, Voltage - Output (Max)=5V, Voltage - Output (Min/Fixed)=0.8V, ComponentLink1Description=Datasheet, ComponentLink1URL=https://www.richtek.com/assets/product_file/RT8070/DS8070-09.pdf, ComponentLink2Description=Digikey, ComponentLink2URL=https://www.digikey.com/en/products/detail/richtek-usa-inc/RT8070ZQW/3078331, MPN=RT8070ZQW